# Altium PCB usb_can.PcbDoc
Units mil, origin at the board's own origin, x right, y up, seen from the top; angles counter-clockwise.
Board outline 1865 x 817 mil, 2 copper layers (Top Layer, Bottom Layer); 45 components, 37 nets, 194 pads, 200 vias.
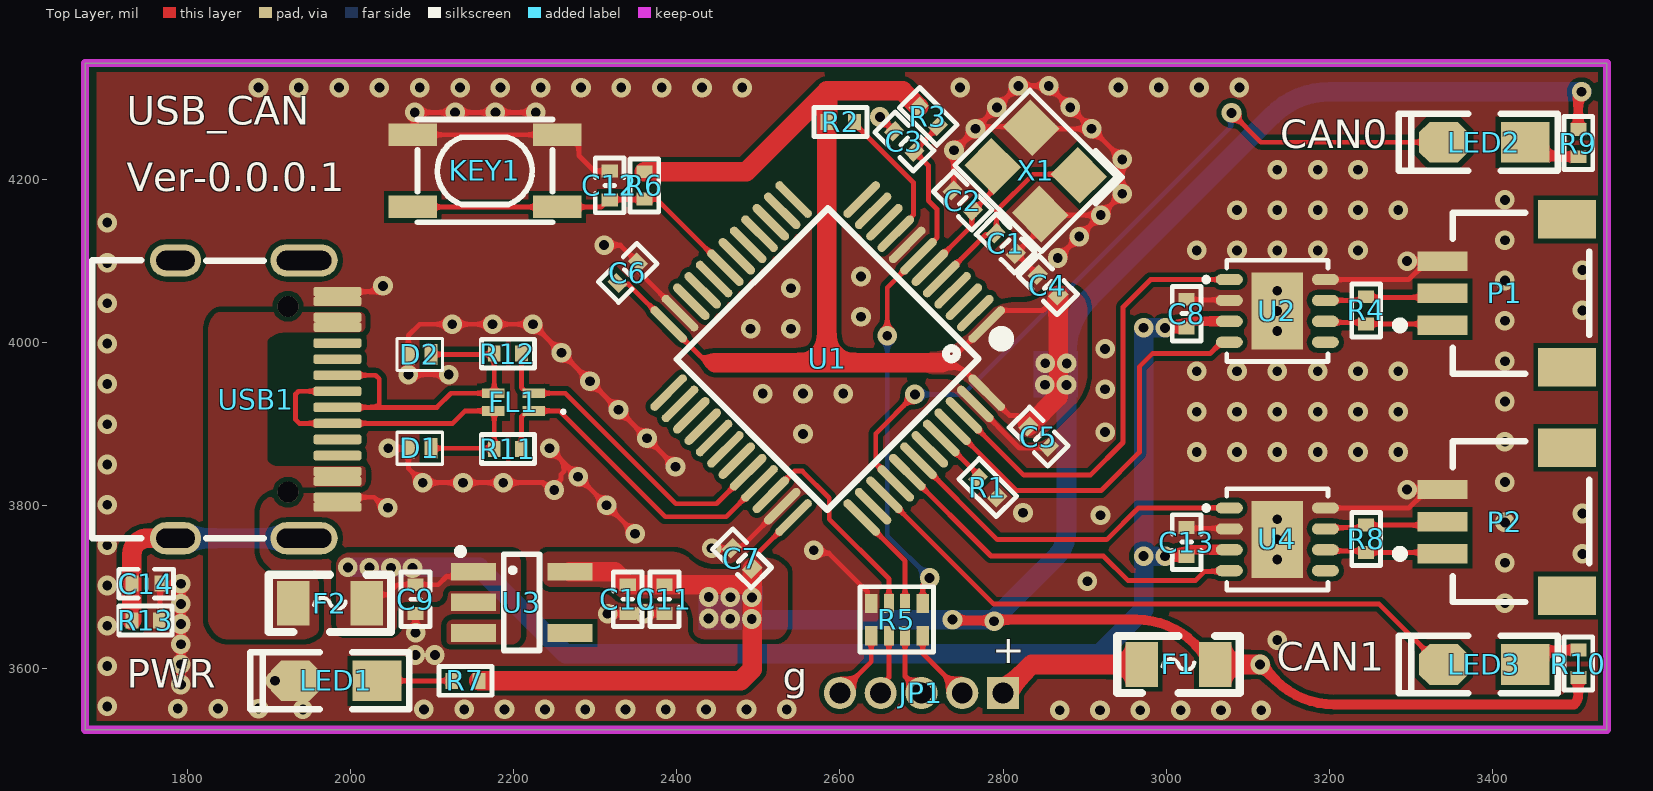
[diagram p0: Top Layer view]
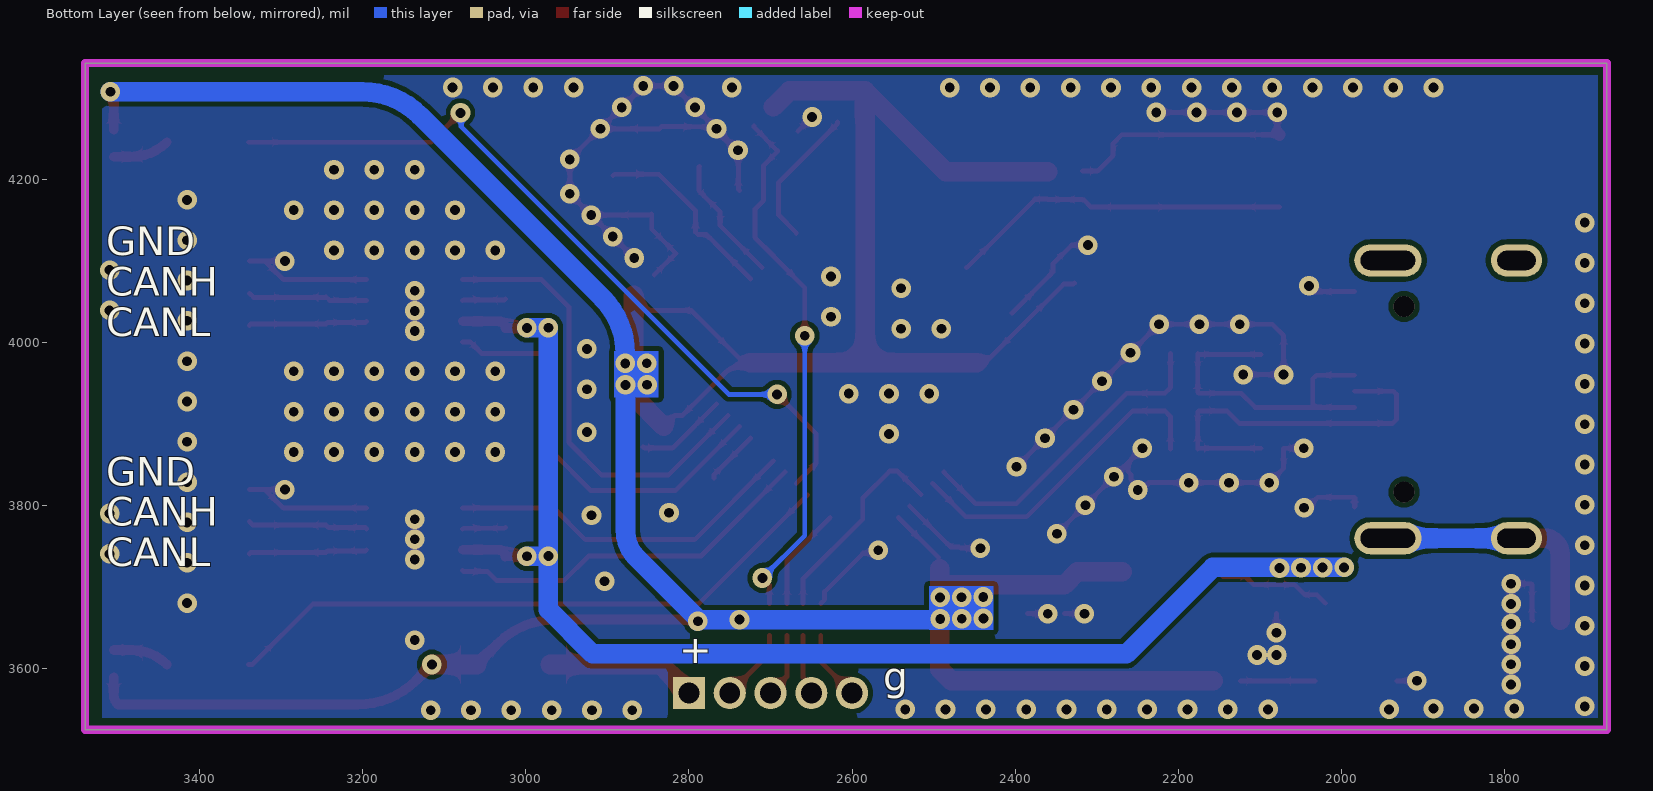
[diagram p1: Bottom Layer view, seen from below]
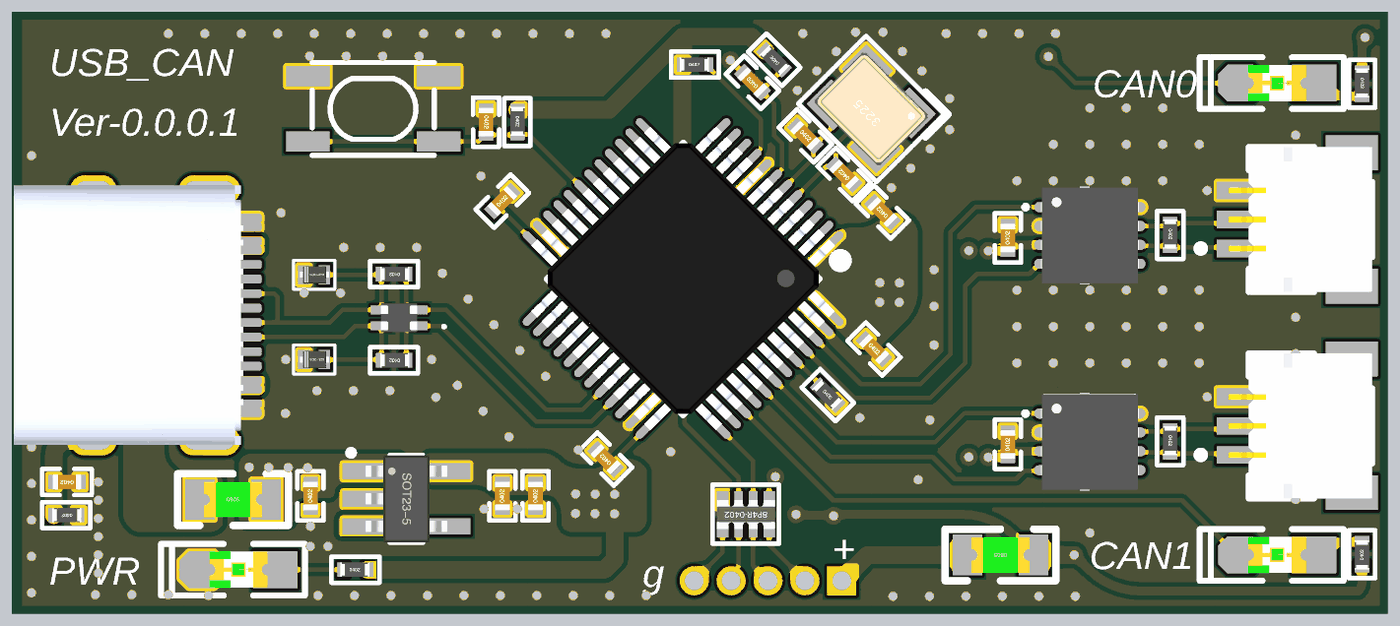
[diagram p2: 3D render of the assembled board from above, using the file's embedded part models]

## Layer stack, top to bottom
Top Solder: solder mask 0.4, Solder Resist, Dk 3.5
Top Layer: signal copper 1.4
Dielectric 1: dielectric 12.6, FR-4, Dk 4.8
Bottom Layer: signal copper 1.4
Bottom Solder: solder mask 0.4, Solder Resist, Dk 3.5

## Board outline
1675,3525 1675,4342 3540,4342 3540,3525

## Design rules (kind name [scope] priority, off if disabled: settings)
BoardOutlineClearance [All] p1: gap=10 ignorepadtopadclearanceinfootprint=FALSE except(0: Arc-SplitContinuation Track-SplitContinuation SMDPad-SplitContinuation THPad-SplitContinuation Via-SplitContinuation Fill-SplitContinuation Poly-SplitContinuation Region-SplitContinuation Text-SplitContinuation)
Clearance [All] p1: gap=6 ignorepadtopadclearanceinfootprint=TRUE except(0: Arc-Hole Track-Hole SMDPad-Hole THPad-Hole Via-Hole Fill-Hole Poly-Hole Region-Hole Text-Hole)
DiffPairsRouting [All] p1: maxlimit=10 minlimit=10 mostfreqgap=10 toplayer_minwidth=6 toplayer_maxwidth=15 toplayer_prefwidth=12 bottomlayer_minwidth=6 bottomlayer_maxwidth=15 bottomlayer_prefwidth=12 maxuncoupledlength=500
PlaneConnect [All] p1: planeconnectstyle=Direct reliefexpansion=20 reliefentries=4 reliefconductorwidth=10 reliefairgap=10
PolygonConnect [All] p1: connectstyle=Direct reliefconductorwidth=10 reliefentries=4 polygonreliefangle="90 Angle" airgapwidth=10
RoutingVias [All] p1: holewidth=12 width=24 viastyle="Through Hole" minholewidth=12 minwidth=24 maxholewidth=24 maxwidth=48
SolderMaskExpansion [All] p1: expansion=4 istentingtop=FALSE
Width [All] p1: maxlimit=100 minlimit=6 preferedwidth=10
28 further rules are at their usual default settings.

## Components (designator, comment, footprint, x,y, rotation, side; value= is the part's Value field where it differs from the comment)
C1 "22pF" "C 0402_L" 2803.1,4121.03 r135 top
C2 "22pF" "C 0402_L" 2750.61,4173.54 r315 top
C3 "0.1uF" "C 0402_L" 2679,4246 r135 top
C4 "0.1uF" "C 0402_L" 2855,4070 r135 top
C5 "0.1uF" "C 0402_L" 2843.62,3884.31 r315 top
C6 "0.1uF" "C 0402_L" 2340,4085 r45 top
C7 "0.1uF" "C 0402_L" 2480,3735 r135 top
C8 "2.2uF" "C 0402_L" 3025,4035 r90 top
C9 "2.2uF" "C 0402_L" 2080,3685 r90 top
C10 "2.2uF" "C 0402_L" 2340,3685 r90 top
C11 "0.1uF" "C 0402_L" 2385,3685 r90 top
C12 "0.1uF" "C 0402_L" 2317.93,4192.07 r270 top
C13 "2.2uF" "C 0402_L" 3025,3755 r90 top
C14 "4700pF" "C 0402_L" 1750,3704 r180 top
D1 "PESD5V0F1BL,315" SOD-882_L1.0-W0.6-BI 2085,3870 r180 top
D2 "PESD5V0F1BL,315" SOD-882_L1.0-W0.6-BI 2085,3985 r180 top
F1 "MSMD200-8V 2A" "FU 0805" 3015,3605 r180 top
F2 "MSMD200-8V 2A" "FU 0805" 1975,3680 r0 top
FL1 "DLP11SN900HL2B" DLP11SA350HL2B 2200,3926.58 r180 top
JP1 "HDR-1X5" HDR-TH_5P-P1.27-V-M 2800,3570 r180 top
KEY1 "KEY_SMD" SMD-3.2*4.2 2165,4210 r180 top
LED1 "红色" "LED 0805R" 1982.5,3585 r180 top
LED2 "蓝色" "LED 0805B" 3390,4245 r180 top
LED3 "蓝色" "LED 0805B" 3390,3605 r180 top
P1 "CAN0" JST-SM03B-SRSS-TB_V 3435,4060 r90 top
P2 "CAN0" JST-SM03B-SRSS-TB_V 3435,3780 r90 top
R1 "10K" "R 0402_L" 2780.43,3822.5 r315 top
R2 "0R" "R 0402_L" 2600,4270 r0 top
R3 "10K" "R 0402_L" 2709,4276 r135 top
R4 "120R" "R 0402_L" 3245,4040 r270 top
R5 "0R" RCA-8P4R-0402 2670,3660 r180 top
R6 "10K" "R 0402_L" 2360.36,4193.05 r270 top
R7 "10K" "R 0402_L" 2140,3585 r0 top
R8 "120R" "R 0402_L" 3245,3760 r270 top
R9 "10K" "R 0402_L" 3505,4245 r270 top
R10 "10K" "R 0402_L" 3505,3605 r90 top
R11 "22R" "R 0402_L" 2194.08,3869.06 r180 top
R12 "22R" "R 0402_L" 2194.08,3985.93 r180 top
R13 "1M" "R 0402_L" 1750,3659 r180 top
U1 "GD32C103CBT6" LQFP-48_L7.0-W7.0-P0.50-LS9.0-BL 2585,3980 r135 top
U2 "SIT1050TK" TDFN-8_L3.0-W3.0-P0.65-BL-EP 3136.14,4038.39 r270 top
U3 "RT9013-33GB" SOT23-5M 2210,3681.08 r270 top
U4 "SIT1050TK" TDFN-8_L3.0-W3.0-P0.65-BL-EP 3136.14,3758.39 r270 top
USB1 "USB_Type-C" Type-C-TOP 1885,3930 r180 top
X1 "8M" "OSC 3225-4P" 2840,4210 r135 top

## Footprints (in the part's own frame and the unit in brackets; to place one, negate y for a bottom-side part, rotate by r counter-clockwise, add the part's x,y. Pads: shape width x height; smd on the part's side, far side on the other; paste and mask are expansions set on the pad)
"C 0402_L" [mm] "无极性贴片电容         淘宝ID:黄晶宝石"
  rect 0.4x0.5 smd: 1(-0.45,0) 2(0.45,0)
  silkscreen extent -0.85,-0.45 0.85,0.45, body extent -0.5,-0.26 0.5,0.26, height 0.53
DLP11SA350HL2B [mm]
  rect 0.7x0.3 smd: 1(-0.625,0.275) 2(0.625,0.275) 3(0.625,-0.275) 4(-0.625,-0.275)
  silkscreen extent -1.6,0.25 -1.5,0.35, body extent -0.63,-0.5 0.63,0.5, height 0.82
"FU 0805" [mil] "贴片保险丝"
  rect 40x55 smd: 1(-45,0) 2(45,0)
  silkscreen extent -75,-35 75,35, body extent -39,-24 39,24, height 20
HDR-TH_5P-P1.27-V-M [mm]
  rect 1x1 hole 0.65: 1(0,0)
  round 1 hole 0.65: 2(1.27,0) 3(2.54,0) 4(3.81,0) 5(5.08,0)
JST-SM03B-SRSS-TB_V [mm] "SMD, 3-Leads, Body 5x4.25mm, Pitch 1mm"
  rect 0.6x1.55 smd: 1(-1,2.45) 2(0,2.45) 3(1,2.45)
  rect 1.2x1.8 smd: MP1(-2.3,-1.425) MP2(2.3,-1.425)
  silkscreen extent -2.5,-2.12 2.5,3.9, body extent -2.5,-2.12 2.5,2.83, height 2.9
"LED 0805B" [mil] "蓝色0805LED                                    淘宝ID:黄晶宝石"
  rect 60x50 smd: 1(-50,0)
  oct 60x50 smd: 2(50,0)
  silkscreen extent -90,-35 105,35, body extent -39,-25 39,25, height 32
"LED 0805R" [mil] "红色0805LED                                       淘宝ID:黄晶宝石"
  rect 60x50 smd: 1(-50,0)
  oct 60x50 smd: 2(50,0)
  silkscreen extent -90,-35 105,35, body extent -39,-25 39,25, height 32
LQFP-48_L7.0-W7.0-P0.50-LS9.0-BL [mm]
  oval 0.27x1.5 smd: 1(-2.75,-4.25) 2(-2.25,-4.25) 3(-1.75,-4.25) 4(-1.25,-4.25) 5(-0.75,-4.25) 6(-0.25,-4.25) 7(0.25,-4.25) 8(0.75,-4.25) 9(1.25,-4.25) 10(1.75,-4.25) 11(2.25,-4.25) 12(2.75,-4.25) 25(2.75,4.25) 26(2.25,4.25) 27(1.75,4.25) 28(1.25,4.25) 29(0.75,4.25) 30(0.25,4.25) 31(-0.25,4.25) 32(-0.75,4.25) 33(-1.25,4.25) 34(-1.75,4.25) 35(-2.25,4.25) 36(-2.75,4.25)
  oval 1.5x0.27 smd: 13(4.25,-2.75) 14(4.25,-2.25) 15(4.25,-1.75) 16(4.25,-1.25) 17(4.25,-0.75) 18(4.25,-0.25) 19(4.25,0.25) 20(4.25,0.75) 21(4.25,1.25) 22(4.25,1.75) 23(4.25,2.25) 24(4.25,2.75) 37(-4.25,2.75) 38(-4.25,2.25) 39(-4.25,1.75) 40(-4.25,1.25) 41(-4.25,0.75) 42(-4.25,0.25) 43(-4.25,-0.25) 44(-4.25,-0.75) 45(-4.25,-1.25) 46(-4.25,-1.75) 47(-4.25,-2.25) 48(-4.25,-2.75)
  silkscreen extent -3.59,-4.46 3.3,3.34, body extent -4.5,-4.5 4.5,4.5, height 1.5
"OSC 3225-4P" [mm] "3.2*2.5*0.7mm(长宽高)                         淘宝ID:黄晶宝石"
  rect 1.3x1.2 smd: 1(-1.05,-0.85) 2(1.05,-0.85) 3(1.05,0.85) 4(-1.05,0.85)
  silkscreen extent -2.03,-1.75 1.9,1.65, body extent -1.6,-1.25 1.6,1.25, height 0.7
"R 0402_L" [mm] "1/16W贴片电阻     淘宝ID:黄晶宝石"
  rect 0.4x0.5 smd: 1(-0.4,0) 2(0.45,0)
  silkscreen extent -0.8,-0.45 0.85,0.45, body extent -0.5,-0.25 0.5,0.25, height 0.3
RCA-8P4R-0402 [mm] "2mm*1mm*0.45mm(长*宽*厚)"
  rect 0.4x0.6 smd: 1(-0.8,-0.5) 4(0.8,-0.5) 5(0.8,0.5) 8(-0.8,0.5)
  rect 0.3x0.6 smd: 2(-0.25,-0.5) 3(0.25,-0.5) 6(0.25,0.5) 7(-0.25,0.5)
  silkscreen extent -1.14,-1.02 1.15,1.01, body extent -1,-0.5 1,0.5, height 0.45
SMD-3.2*4.2 [mm]
  rect 1.5x0.7 smd: 1(-2.25,1.125) 1(2.25,1.125) 2(-2.25,-1.125) 2(2.25,-1.125)
  silkscreen extent -2.1,-1.6 2.1,1.6, body extent -2.73,-1.6 2.47,1.58, height 1.8
SOD-882_L1.0-W0.6-BI [mm]
  rect 0.4x0.65 smd: 1(-0.35,0) 2(0.35,0)
  silkscreen extent -0.71,-0.5 0.71,0.5, body extent -0.51,-0.3 0.49,0.3, height 0.43
SOT23-5M [mm] "3x1.6x1.1mm(长宽高) 封装库来自淘宝卖家 ID：黄晶宝石"
  rect 0.55x1.4 smd: 1(-0.95,-1.5) 2(0,-1.5) 3(0.95,-1.5) 4(0.95,1.5) 5(-0.95,1.5)
  silkscreen extent -1.66,-1.98 1.5,0.56, body extent -1.5,-1.4 1.5,1.4, height 1.15
TDFN-8_L3.0-W3.0-P0.65-BL-EP [mm]
  oval 0.35x0.84 smd: 1(-0.975,-1.495) 2(-0.325,-1.495) 3(0.325,-1.495) 4(0.975,-1.495) 5(0.975,1.495) 6(0.325,1.495) 7(-0.325,1.495) 8(-0.975,1.495)
  rect 2.4x1.6 smd: 9(0,0)
  silkscreen extent -1.58,-2.29 1.58,1.58, body extent -1.68,-1.68 1.68,1.68, height 1
Type-C-TOP [mm]
  round 0.65 hole 0.65: 0(-0.98,2.89) 0(-0.98,-2.89)
  oval 1.6x1 hole 0.6 slot 1.2 at 0 deg: 1(2.52,4.325) 2(2.52,-4.325)
  oval 2.1x1 hole 0.6 slot 1.7 at 0 deg: 3(-1.48,-4.325) 4(-1.48,4.325)
  rrect50% 1.5x0.3 smd: A1(-2.52,-3.35) A4(-2.52,-2.55) A5(-2.52,-1.25) A6(-2.52,-0.25) A7(-2.52,0.25) A8(-2.52,1.25) A9(-2.52,2.55) A12(-2.52,3.35) B1(-2.52,3.05) B4(-2.52,2.25) B5(-2.52,1.75) B6(-2.52,0.75) B7(-2.52,-0.75) B8(-2.52,-1.75) B9(-2.52,-2.25) B12(-2.52,-3.05)
  silkscreen extent -0.22,-4.33 5.12,4.33, body extent -2.64,-4.48 5.26,4.46, height 3.28

## Part data
C1 C2 C3 C4 C5 C6 C7 C8 C9 C10 C11 C12 C13 C14: library part C, "贴片电容"
D1 D2: "PESD5V0F1BL,315、ESD二极管、5.5V"
F1 F2: library part FU, "贴片保险丝"
FL1: "Filter", Manufacturer_Name="Murata Electronics", Mouser Part Number=81-DLP11SN900HL2B, Datasheet Link=https://www.murata.com/en-us/products/productdetail?partno=DLP11SN900HL2%23, Height=0.92mm, Manufacturer_Part_Number=DLP11SN900HL2B, Mouser Price/Stock=https://www.mouser.co.uk/ProductDetail/Murata-Electronics/DLP11SN900HL2B?qs=%2F%252BYoplLUB5ikZtvOhZcMEg%3D%3D
JP1: library part SWD, "5P接插件"
LED1 LED2 LED3: library part LED-SMD, "贴片LED"
P1 P2: library part SM03B-SRSS-TB(LF)(SN), "Male Header, Pitch 1 mm, 1 x 3 Position, Height 2.9 mm, -25 to 85 degC, RoHS, Tape and Reel", Manufacturer=JST, Package Description="Male Header, Pitch 1 mm, 1 x 3 Position, Height 2.9 mm", Package Reference=SM03B-SRSS-TB, Datasheet URL=http://www.jst-mfg.com/product/pdf/eng/eSR.pdf, Datasheet Version=05/2016, Manufacturer URL=http://www.jst.com/home2.html, Mounting Technology=SurfaceMount, No of Positions=3, Pitch=1mm, Style/Orientation=RightAngleHeader/Plug, Termination=Crimp, Type=ShroudedHeader
R1 R2 R3 R4 R6 R7 R8 R9 R10 R11 R12 R13: library part R, "贴片电阻"
R5: library part R-8P4R, "贴片排阻"
U1: BOM_JLCPCB Part Class="Extended Part", BOM_Manufacturer=null, BOM_Manufacturer Part=GD32C103CBT6, BOM_Supplier=LCSC, BOM_Supplier Part=C2885643, Contributor=LCSC, spicePre=U, spiceSymbolName=GD32C103CBT6
U2 U4: BOM_JLCPCB Part Class="Extended Part", BOM_Manufacturer=SIT, BOM_Manufacturer Part=SIT1050TK, BOM_Supplier=LCSC, BOM_Supplier Part=C427444, Contributor=LCSC, spicePre=U, spiceSymbolName=SIT1050TK
X1: library part XTAL-4P, "4脚无源晶振"

## Via types
v1: diameter 24, hole 12, Top Layer to Bottom Layer, tented both sides, 200 vias

## Nets (pads, with @x,y where several pads share a name; then routed paths per layer and width w, separated by ;. In a path a pad name is that pad's centre, name@x,y a point inside that pad or via, vN(x,y) a via of type N, cw(c..) or ccw(c..) an arc to the next point about the centre after c; other vN are vias at no path point)
CAN0_N: P1.1 R4.2 U2.6 | length 145.6
  Top Layer w6: U2.6 3196.49,4024.1 3243.18,4024.1 R4.2 3336.89,4022.29 P1.1
CAN0_P: P1.2 R4.1 U2.7 | length 147.8
  Top Layer w6: U2.7 3240.43,4051.18 R4.1 3245.75,4055 3333.54,4055 P1.2
CAN0_RX(PB8): U1.45 U2.4 | length 508.6
  Top Layer w6: U1.45 2816.59,3818 2920,3818 2967,3865 2967,3970 2983,3986 3053.64,3986 3067.64,4000 U2.4
CAN0_TX(PB9): U1.46 U2.1 | length 552.2
  Top Layer w6: U1.46 2825.43,3837 2907,3837 2947,3877 2947,4043 2980.77,4076.77 U2.1
CAN1_N: P2.1 R8.2 U4.6 | length 145.6
  Top Layer w6: U4.6 3196.49,3744.1 3243.18,3744.1 R8.2 3336.89,3742.29 P2.1
CAN1_P: P2.2 R8.1 U4.7 | length 147.2
  Top Layer w6: U4.7 3196.49,3772.67 3241.92,3772.67 R8.1 3334.29,3775.75 P2.2
CAN1_RX(PB5): U1.41 U4.4 | length 454.8
  Top Layer w6: U1.41 2785.23,3738 2923,3738 2953,3708 3036,3708 3047.08,3719.08 3076.37,3719.08 U4.4
CAN1_TX(PB6): U1.42 U4.1 | length 437.2
  Top Layer w6: U1.42 2793.08,3758 2927,3758 2966,3797 3077.06,3797 U4.1
GND: C1.1 C2.1 C3.2 C4.2 C5.2 C6.2 C7.2 C8.2 C9.1 C10.1 C11.1 C12.1 C13.2 C14.1 D1.2 D2.2 KEY1.2 LED1.2 P1.3 P2.3 R1.2 R5.4 R13.1 U1.8 U1.23 U1.35 U1.47 U2.2 U2.8 U2.9 U3.2 U4.2 U4.8 U4.9 USB1.A1 USB1.A12 USB1.B1 USB1.B12 X1.2 X1.4 | length 3678.8
  Top Layer w6: R13.1 1766.73,3659.99 1766.73,3703.02 C14.1 v1(1792.43,3704) v1(1792.43,3679.29) v1(1792.43,3654.58) v1(1792.43,3629.87) v1(1792.43,3605.17) v1(1792.43,3580.46) ; v1(1907.79,3585) LED1.2 ; USB1.A12 USB1.B1 2029.22,3809.92 2042.14,3797 v1(2046,3797) ; USB1.A1 2032.89,4061.89 v1(2040,4069) ; v1(2046.51,3870) D1.2 2071.22,3845.29 v1(2088.69,3827.82) v1(2138.11,3827.82) 2236.19,3827.82 2245.13,3818.88 v1(2250,3818.88) 2250,3823.75 2258.12,3831.87 2258.12,3837.64 2261.65,3841.17 2261.65,3852.53 ; KEY1.2@2076.42,4254.29 2253.58,4254.29 2269.33,4254.29 2280.11,4243.51 2280.11,4228.76 2299.09,4209.79 C12.1 ; KEY1.2@2079,4256.87 v1(2079,4281.58) v1(2128.42,4281.58) v1(2177.83,4281.58) v1(2227.25,4281.58) ; v1(2080,3644) C9.1 ; v1(2120.64,3960.29) v1(2071.22,3960.29) D2.2 2071.22,4008.22 2085,4022 v1(2125,4022) v1(2174.42,4022) v1(2223.83,4022) v1(2258.78,3987.06) v1(2293.72,3952.11) v1(2328.66,3917.17) v1(2363.61,3882.23) v1(2398.55,3847.28) ; v1(2244.18,3870) 2261.65,3852.53 ; v1(2311,4119) 2331.05,4119 C6.2 2353.92,4096.13 2353.92,4085.81 2371.71,4068.03 U1.23 ; v1(2315.29,3667.28) C10.1 ; v1(2349.01,3765.17) v1(2314.07,3800.11) v1(2279.12,3835.06) 2261.65,3852.53 ; v1(2360.29,3667.28) C11.1 ; v1(2442.77,3747.53) C7.2 2468.87,3748.92 2479.19,3748.92 U1.35 ; v1(2568,3745) 2571.44,3741.56 2586.44,3741.56 2633.63,3694.37 2633.63,3684.56 R5.4 ; v1(2649.01,4276) C3.2 ; C2.1 2739.47,4187.45 2739.47,4232.47 2771,4264 2803.59,4264 2803.88,4264.29 2833.04,4264.29 X1.2 2835.82,4261.5 v1(2908.5,4261.5) ; v1(2739.9,4235.22) v1(2766.18,4261.5) v1(2792.47,4287.79) v1(2818.75,4314.07) v1(2855.93,4314.07) v1(2882.21,4287.79) v1(2908.5,4261.5) ; U1.47 2819.88,3870.39 2854.75,3870.39 C5.2 ; C4.2 2816.5,4108.5 C1.1 2845.57,4138.44 X1.4 2846.96,4155.71 v1(2919.71,4155.71) ; v1(2867.14,4103.14) v1(2893.43,4129.43) v1(2919.71,4155.71) ; C13.2 3025.77,3771.95 3076.52,3771.95 U4.2 ; C8.2 3025.77,4051.95 3076.52,4051.95 U2.2 ; v1(3136.14,3733.68) v1(3136.14,3758.39) v1(3136.14,3783.09) ; v1(3136.14,4013.68) v1(3136.14,4038.39) v1(3136.14,4063.09) ; U4.8 3297.24,3796.77 P2.3@3319.84,3819.37 ; U2.8 3297.24,4076.77 P1.3@3319.84,4099.37 ; v1(3295.13,3819.37) P2.3@3319.84,3819.37 ; v1(3295.13,4099.37) P1.3@3319.84,4099.37 ; P2.3 P2.3@3319.84,3819.37 ; P1.3 P1.3@3319.84,4099.37 ; v1(2908.5,4261.5) v1(2946,4224) v1(2946,4182) v1(2919.71,4155.71)
  Top Layer w15: KEY1.2@2076.42,4254.29 KEY1.2@2079,4256.87
  other v1: 2869.42,3549 2918.83,3549 2968.25,3549 3017.67,3549 3067.09,3549 3116.5,3549 1941.92,3550 2090.17,3550 2139.59,3550 2189,3550 2238.42,3550 2287.84,3550 2337.26,3550 2386.67,3550 2436.09,3550 2485.51,3550 2534.93,3550 1788.58,3551 1838,3551 1887.42,3551 1702,3553.58 1702,3603 2079.73,3616.59 2103.73,3616.59 3136.14,3634.84 1702,3652.42 3415,3680.24 1702,3701.83 2903.42,3707 3415,3729.66 3510,3740.58 1702,3751.25 3415,3779.08 2919.42,3788 3510,3790 2824.42,3791 1702,3800.67 2187.53,3827.82 3415,3828.5 1702,3850.09 3037.31,3865.43 3086.72,3865.43 3136.14,3865.43 3185.56,3865.43 3234.98,3865.43 3284.39,3865.43 3415,3877.91 2554.83,3887.58 2925,3889.76 1702,3899.5 3037.31,3914.84 3086.72,3914.84 3136.14,3914.84 3185.56,3914.84 3234.98,3914.84 3284.39,3914.84 3415,3927.33 2505.42,3937 2554.83,3937 2604.25,3937 2925,3942.42 1702,3948.92 3037.31,3964.26 3086.72,3964.26 3136.14,3964.26 3185.56,3964.26 3234.98,3964.26 3284.39,3964.26 3415,3976.75 2925,3991.83 1702,3998.34 2490.58,4016.58 2540,4016.58 3415,4026.17 2625.93,4031.08 3510,4039 1702,4047.76 2540,4066 3415,4075.58 2625.93,4080.49 3510,4088.42 1702,4097.17 3037.31,4112.51 3086.72,4112.51 3136.14,4112.51 3185.56,4112.51 3234.98,4112.51 3415,4125 1702,4146.59 3086.72,4161.93 3136.14,4161.93 3185.56,4161.93 3234.98,4161.93 3284.39,4161.93 3415,4174.42 3136.14,4211.35 3185.56,4211.35 3234.98,4211.35 1887.42,4312 1936.83,4312 1986.25,4312 2035.67,4312 2085.09,4312 2134.5,4312 2183.92,4312 2233.34,4312 2282.76,4312 2332.17,4312 2381.59,4312 2431.01,4312 2480.43,4312 2747.29,4312.19 2941.42,4312.19 2990.83,4312.19 3040.25,4312.19 3089.67,4312.19
KEY: C12.2 KEY1.1 R6.2 U1.19 | length 422.1
  Top Layer w6: KEY1.1@2076.42,4165.71 2253.58,4165.71 2307.31,4165.71 2315.96,4174.36 C12.2 2318.42,4174.85 2359.86,4174.85 R6.2 2375.75,4175.34 U1.19
LED1: LED2.2 U1.40 | length 954.3
  Top Layer w6: U1.40 2644,3851.4 2644,3888 v1(2692,3936) ; v1(3080,4281) 3116,4245 LED2.2
  Bottom Layer w6: v1(2692,3936) 2751,3936 3079.15,4264.15 3079.15,4280.15 v1(3080,4281)
LED2: LED3.2 U1.39 | length 771.5
  Top Layer w6: U1.39 2788.56,3679 3261,3679 3335,3605 LED3.2
NetC1_2: C1.2 U1.5 X1.1 | length 237.7
  Top Layer w6: U1.5 2758.84,4112.08 2778.93,4132.17 2789.19,4132.17 C1.2 2791.97,4134.95 2791.97,4160.97 2836.82,4205.82 2891.5,4205.82 X1.1
NetC2_2: C2.2 U1.6 X1.3 | length 156.6
  Top Layer w6: U1.6 2761.74,4142.83 2761.74,4159.62 C2.2 2787.82,4185.69 2787.82,4214.86 X1.3
NetC14_2: C14.2 R13.2 USB1.1 USB1.4 | length 303.3
  Top Layer w24: R13.2 C14.2 1732.29,3740.21 cw(c1751.79,3740.21) 1738,3754 cw(c1751.82,3740.18) 1751.82,3759.72 USB1.1
  Bottom Layer w24: USB1.1 USB1.4
NetF1_2: F1.2 JP1.1 | length 184.5
  Top Layer w24: JP1.1 2835,3605 F1.2
NetJP1_2: JP1.2 R5.8 | length 90.4
  Top Layer w6: R5.8 2701.5,3618.5 JP1.2
NetJP1_3: JP1.3 R5.7 | length 78.7
  Top Layer w6: R5.7 2679.84,3590.41 2700,3570.25 JP1.3
NetJP1_4: JP1.4 R5.6 | length 74.5
  Top Layer w6: JP1.4 2650,3579.03 2660.16,3589.19 R5.6
NetJP1_5: JP1.5 R5.5 | length 86.3
  Top Layer w6: JP1.5 2638.5,3608.5 R5.5
NetLED1_1: LED1.1 R7.1 | length 91.8
  Top Layer w6: LED1.1 R7.1
NetLED2_1: LED2.1 R9.2 | length 69.7
  Top Layer w12: LED2.1 ccw(c3482.76,4287.76) 3482.76,4227.29 R9.2
NetLED3_1: LED3.1 R10.2 | length 69.7
  Top Layer w12: LED3.1 cw(c3482.76,3562.24) 3482.76,3622.71 R10.2
NetR1_1: R1.1 U1.44 | length 67.6
  Top Layer w6: U1.44 2769.29,3837.47 R1.1
NetR2_2: R2.2 U1.9 | length 175.7
  Top Layer w6: R2.2 2617.71,4268.03 2690,4195.74 2690,4155.84 2668.52,4134.36 U1.9
NRST: C3.1 R3.1 R5.1 U1.7 | length 658.7
  Top Layer w6: v1(2658,4008) 2658,4066.91 U1.7 2696.36,4105.57 2719,4128.22 2719,4163 2708.57,4173.43 2708.57,4216.43 C3.1 2691.53,4234.86 2720.14,4263.47 R3.1 ; R5.1 2701.5,3702.5 v1(2710,3711)
  Bottom Layer w6: v1(2658,4008) 2658,3763 v1(2710,3711)
SWCLK: R5.2 U1.37 | length 127.4
  Top Layer w6: U1.37 2679.84,3732.04 R5.2
SWDIO: R5.3 U1.34 | length 256.9
  Top Layer w6: U1.34 2544.44,3842 2554,3842 2587,3809 2587,3783 2660.16,3709.84 R5.3
USART2_RX(PB11): U1.22
USART2_TX(PB10): U1.21
USB_FS_N: FL1.4 R12.1 U1.32 | length 394.4
  Top Layer w6: R12.1 2209.83,3944.31 2216.73,3937.41 FL1.4 2263.59,3937.41 2399,3802 2448.76,3802 U1.32
USB_FS_P: FL1.1 R11.1 U1.33 | length 405
  Top Layer w6: R11.1 2209.83,3908.85 2216.73,3915.75 FL1.1 2256.25,3915.75 2386,3786 2460.59,3786 U1.33
USB_N: D2.1 FL1.3 R12.2 USB1.A7 USB1.B7 | length 462.3
  Top Layer w6: USB1.B7 2030.9,3959.53 2035.42,3955 2035.42,3923.67 2031.91,3920.16 USB1.A7 2106.16,3920.16 2123.41,3937.41 FL1.3 2176.36,3938.37 R12.2 2175.43,3985 D2.1
USB_P: D1.1 FL1.2 R11.2 USB1.A6 USB1.B6 | length 459.7
  Top Layer w6: USB1.A6 1936.51,3939.84 1933,3936.33 1933,3905 1937.53,3900.47 USB1.B6 2125.47,3900.47 2140.75,3915.75 FL1.2 2176.36,3914.78 R11.2 2175.43,3870 D1.1
USBVCC: F2.1 USB1.A4 USB1.A9 USB1.B4 USB1.B9
VCC3V3: C4.1 C5.1 C6.1 C7.1 C10.2 C11.2 F1.1 R2.1 R3.2 R6.1 R7.2 R9.1 R10.1 U1.1 U1.24 U1.36 U1.48 U3.5 | length 4698.5
  Top Layer w6: C6.1 2328.86,4071.08 2340.81,4071.08 U1.24 2429.74,3982.15 ccw(c2447,3999.41) 2447,3975 ; 2493.92,3735.8 U1.36 ; 2756.02,3962.09 ccw(c2724.84,3930.89) 2724.84,3975 ccw(c2724.84,3994.99) 2738.97,3980.85 U1.1 2796.99,4038.87 2848.93,4038.87 C4.1 ; 2756.03,3962.08 U1.48 2807.85,3910.26 2817.67,3910.26 C5.1
  Top Layer w12: v1(2738,3660) 2739,3659 2788,3659 v1(2789,3658) ; v1@2789,3660 2963.58,3660 cw(c2963.58,3560) 3034.29,3630.71 F1.1 ; v1(3115,3605) 3134.71,3585.29 ccw(c3205.42,3656) 3205.42,3556 3500,3556 ccw(c3487.92,3568.08) 3505,3568.08 R10.1 ; R9.1 3505,4297.34 cw(c3518.66,4297.34) v1(3509,4307)
  Top Layer w24: R7.2 2478.47,3585 2492.53,3599.06 2492.53,3705 ; U3.5 2324.24,3718.48 C10.2 C11.2 2490.24,3702.71 2492.53,3705 ; R6.1 2485.05,4208.8 2584.25,4308 2677,4308 R3.2 ; 2447,3975 2584,3975 ; C7.1 2492.53,3705 ; 2585,4308 2585,4277.33 2584.25,4276.58 R2.1 2584,4269.75 2584,3975 ; 2724.84,3975 2584,3975 ; C5.1 2867.53,3933.27 C4.1 ; F1.1 v1(3115,3605)
  Bottom Layer w24: v1(2491.97,3660.77) 2492.74,3660 2787,3660 v1(2789,3658) ; v1@2789,3660.77 2864.15,3735.92 ccw(c2831.38,3768.7) 2877.73,3768.7 v1(2877.73,3947.59) ; v1(2878,3974) 2878,3986.4 cw(c2973.6,3986.4) 2906,4054 3129.71,4277.71 cw(c3200.42,4207) 3200.42,4307 v1(3509,4307)
  other v1: 2439.14,3661.32 2465.55,3661.04 2465.83,3687.46 2492.24,3687.19 2439.41,3687.73 2851.32,3947.86 2851.59,3974.27
VCC5V: C8.1 C9.2 C13.1 F2.2 U2.3 U3.1 U3.3 U4.3 | length 1753.8
  Top Layer w6: F2.2 2030.49,3690.49 2045.49,3690.49 2057.71,3702.71 C9.2 2107.71,3702.71 2117.9,3712.9 2145.37,3712.9 U3.1
  Top Layer w12: v1(2998.59,3737.56) C13.1@3024.73,3737.56 ; v1(2998.59,4017.55) 3024.73,4017.55 C8.1 cw(c3033.31,4017.28) 3033.31,4025.59 U2.3 ; C13.1 cw(c3033.31,3737.28) 3033.31,3745.59 U4.3
  Bottom Layer w24: v1(1997,3724) 2023.41,3724 2049.83,3724 2076.24,3724 2087,3724 2158,3724 2264,3618 2918,3618 2972.17,3672.17 v1(2972.17,3737.83) ; v1(2998.59,3737.56) 2972.45,3737.56 v1(2972.17,3737.83) ; v1(2998.59,4017.55) 2972.45,4017.55 v1(2972.17,4017.83) v1(2972.17,3737.83)
  other v1: 2049.83,3723.46 2076.24,3723.19 2023.41,3723.73
pads on no net: P1.MP1 P1.MP2 P2.MP1 P2.MP2 U1.2 U1.3 U1.4 U1.10 U1.11 U1.12 U1.13 U1.14 U1.15 U1.16 U1.17 U1.18 U1.20 U1.25 U1.26 U1.27 U1.28 U1.29 U1.30 U1.31 U1.38 U1.43 U2.5 U3.4 U4.5 USB1.0 USB1.2 USB1.3 USB1.A5 USB1.A8 USB1.B5 USB1.B8

## Polygon pours and split planes (outlines as drawn)
GND on Top Layer "NONET_L01_P-001" (solid, remove dead copper, pour order 8): 1689,4331 1689,3536 3530,3536 3530,4331
VCC3V3 on Top Layer "NONET_L01_P-001" (solid, pour order 6): 2869,4069 ccw(c2869,4047.27) 2853.64,4062.64 2852,4061 cw(c2823.03,4089.97) 2823.03,4049 2815.63,4049 ccw(c2815.63,3994.37) 2777,4033 2746.85,4002.85 cw(c2711,4038.7) 2711,3988 ccw(c2727.9,3971.1) 2704,3971.1 2704,3965 ccw(c2713.66,3974.66) 2713.66,3961 2729.86,3961 cw(c2729.86,3926.86) 2754,3951 2812.81,3892.19 ccw(c2835,3914.38) 2835,3883 ccw(c2835,3911.97) 2855.49,3891.49 2886,3922 ccw(c2844.96,3963.04) 2903,3963.04 2903,4039.69 ccw(c2875.69,4039.69) 2895,4059 ccw(c2870.86,4034.86) 2870.86,4069
VCC3V3 on Top Layer "NONET_L01_P-001" (solid, pour order 5): 2241.83,3743 ccw(c2241.83,3736.17) 2237,3741 ccw(c2239.41,3738.59) 2236,3738.59 2236,3708.83 ccw(c2242.83,3708.83) 2238,3704 ccw(c2247.66,3713.66) 2247.66,3700 2302.86,3700 cw(c2302.86,3665.86) 2327,3690 ccw(c2336.66,3699.66) 2336.66,3686 2401.34,3686 cw(c2401.34,3672.34) 2411,3682 cw(c2389.27,3660.27) 2420,3660.27 2420,3648.24 ccw(c2430.24,3648.24) 2423,3641 ccw(c2435.07,3653.07) 2435.07,3636 2520.34,3636 ccw(c2520.34,3649.66) 2530,3640 ccw(c2515.51,3654.49) 2536,3654.49 2536,3716.34 ccw(c2522.34,3716.34) 2532,3726 ccw(c2508.34,3702.34) 2508.34,3735.8 2493.92,3735.8 ccw(c2493.92,3713.78) 2478.35,3729.35 2477,3728 cw(c2462.51,3742.49) 2462.51,3722 2444.97,3722 cw(c2444.97,3762.97) 2416,3734 ccw(c2394.27,3712.27) 2394.27,3743
VCC5V on Top Layer "NONET_L01_P-001" (solid, pour order 4): 1999,3742 ccw(c1999,3726) 1983,3726 1983,3656 ccw(c1995,3656) 1995,3644 2048,3644 ccw(c2048,3653) 2057,3653 2057,3669 cw(c2070,3669) 2070,3682 2104,3682 ccw(c2104,3691) 2113,3691 cw(c2124,3691) 2124,3702 2183,3702 cw(c2183,3695) 2190,3695 2190,3664 cw(c2186,3664) 2186,3660 2126,3660 ccw(c2126,3652) 2118,3652 2118,3634 ccw(c2122,3634) 2122,3630 2198,3630 ccw(c2198,3641) 2209,3641 2209,3730 ccw(c2197,3730) 2197,3742
USBVCC on Top Layer "NONET_L01_P-001" (solid, pour order 3): 2014.59,4037 cw(c2014.59,4033.59) 2017,4036 cw(c2014.59,4033.59) 2018,4033.59 2018,4017.83 cw(c2011.18,4017.83) 2016,4013 cw(c2013.59,4015.41) 2013.59,4012 1919.31,4012 ccw(c1919.31,3984.69) 1900,4004 ccw(c1904.83,3999.17) 1898,3999.17 1898,3857.83 ccw(c1904.83,3857.83) 1900,3853 ccw(c1912.07,3865.07) 1912.07,3848 2013.17,3848 cw(c2013.17,3841.18) 2018,3846 cw(c2015.59,3843.59) 2019,3843.59 2019,3828 cw(c2014.18,3828) 2017.59,3824.59 2017,3824 cw(c2012.17,3828.83) 2012.17,3822 1916.56,3822 ccw(c1916.55,3784.45) 1890,3811 ccw(c1909.31,3791.69) 1882,3791.69 1882,3745 ccw(c1910.97,3745) 1890.59,3724.41 1899,3716 ccw(c1903.83,3720.83) 1903.83,3714 1951.76,3714 cw(c1951.76,3703.76) 1959,3711 cw(c1954.18,3706.17) 1961,3706.17 1961,3647.83 cw(c1954.18,3647.83) 1959,3643 cw(c1942.1,3659.9) 1942.1,3636 1849.49,3636 cw(c1849.48,3656.48) 1835,3642 cw(c1859.14,3666.14) 1826,3657.94 1826,3886 1826,4014.69 cw(c1853.31,4014.69) 1834,4034 cw(c1841.24,4026.76) 1841.24,4037
GND on Bottom Layer "NONET_L01_P-001" (solid, pour order 7): 1686,4327 1686,3540 3519,3540 3519,4327

## Keep-outs
Keep-Out Layer:
  the board outline again, w10

## Other copper
Bottom Layer:
  rectangle net VCC3V3: 2837,3932 2892,3989
  rectangle net VCC3V3: 2427,3647 2506,3701

## Silkscreen, mask and mechanical layers (free items; w line width, h text height)
Top Overlay:
  text "USB_CAN" at 1726,4254.69 h60
  text "CAN0" at 3140,4225.78 h60
  text "Ver-0.0.0.1" at 1726,4173.64 h60
  text "+" at 2787,3594.78 h60
  text "CAN1" at 3135.54,3585.78 h60
  text "PWR" at 1726,3565 h60
  text "g" at 2530,3561.32 h60
Bottom Overlay:
  text "GND" at 3514,4094.64 h60
  text "CANH" at 3514,4045.14 h60
  text "CANL" at 3514,3995.64 h60
  text "GND" at 3514,3812.64 h60
  text "CANH" at 3514,3763.14 h60
  text "CANL" at 3514,3713.64 h60
  text "+" at 2812,3594.78 h60
  text "g" at 2562,3561.32 h60
Mechanical 1:
  the board outline again, w6